# KiCad board first_keyboard.kicad_pcb (continued)
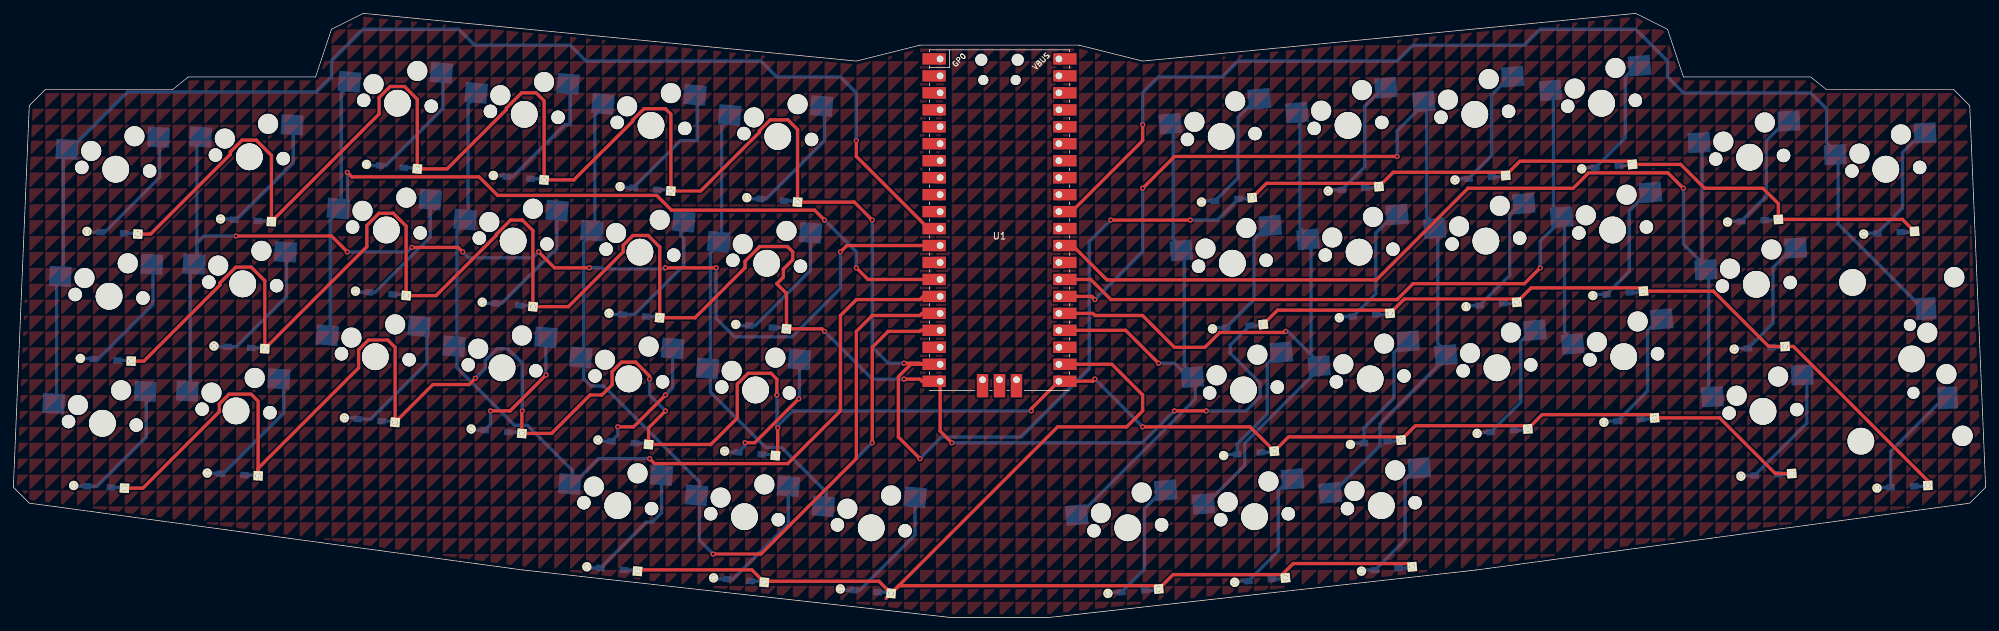
[diagram p0: board, top side]
## Copper pours and planes (outline as drawn; the poured copper is in the pictures) (continued)
(no net) on Top, Bottom: 69.06,80.96 69.06,78.58 71.44,80.96
(no net) on Top, Bottom: 259.56,138.11 259.56,135.73 261.94,138.11
(no net) on Top, Bottom: 26.19,85.72 26.19,83.34 28.58,85.72
(no net) on Top, Bottom: 85.73,-38.1 85.73,-40.48 88.11,-38.1
(no net) on Top, Bottom: 271.46,135.73 271.46,133.35 273.84,135.73
(no net) on Top, Bottom: 230.98,0 230.98,-2.38 233.36,0
(no net) on Top, Bottom: 90.49,107.16 90.49,104.78 92.87,107.16
(no net) on Top, Bottom: 126.21,61.91 126.21,59.53 128.59,61.91
(no net) on Top, Bottom: 290.51,40.48 290.51,38.1 292.89,40.48
(no net) on Top, Bottom: 114.3,100.01 114.3,97.63 116.68,100.01
(no net) on Top, Bottom: 92.87,123.83 92.87,121.44 95.25,123.83
(no net) on Top, Bottom: 250.03,126.21 250.03,123.83 252.41,126.21
(no net) on Top, Bottom: 192.88,107.16 192.88,104.78 195.26,107.16
(no net) on Top, Bottom: 40.48,33.34 40.48,30.96 42.86,33.34
(no net) on Top, Bottom: 128.59,7.14 128.59,4.76 130.97,7.14
(no net) on Top, Bottom: 100.01,150.02 100.01,147.64 102.39,150.02
(no net) on Top, Bottom: 302.42,116.68 302.42,114.3 304.8,116.68
(no net) on Top, Bottom: 116.68,19.05 116.68,16.67 119.06,19.05
(no net) on Top, Bottom: 80.96,54.77 80.96,52.39 83.34,54.77
(no net) on Top, Bottom: 235.74,-7.14 235.74,-9.53 238.12,-7.14
(no net) on Top, Bottom: 114.3,11.91 114.3,9.53 116.68,11.91
(no net) on Top, Bottom: 9.53,-19.05 9.53,-21.43 11.91,-19.05
(no net) on Top, Bottom: 95.25,123.83 95.25,121.44 97.63,123.83
(no net) on Top, Bottom: 171.45,104.78 171.45,102.39 173.83,104.78
(no net) on Top, Bottom: 223.84,150.02 223.84,147.64 226.22,150.02
(no net) on Top, Bottom: 216.69,119.06 216.69,116.68 219.07,119.06
(no net) on Top, Bottom: 90.49,150.02 90.49,147.64 92.87,150.02
(no net) on Top, Bottom: 152.4,30.96 152.4,28.57 154.78,30.96
(no net) on Top, Bottom: 226.22,73.82 226.22,71.44 228.6,73.82
(no net) on Top, Bottom: 250.03,88.11 250.03,85.72 252.41,88.11
(no net) on Top, Bottom: 188.12,-38.1 188.12,-40.48 190.5,-38.1
(no net) on Top, Bottom: 88.11,28.57 88.11,26.19 90.49,28.57
(no net) on Top, Bottom: 161.93,19.05 161.93,16.67 164.31,19.05
(no net) on Top, Bottom: 128.59,4.76 128.59,2.38 130.97,4.76
(no net) on Top, Bottom: 2.38,-33.34 2.38,-35.72 4.76,-33.34
(no net) on Top, Bottom: 230.98,85.72 230.98,83.34 233.36,85.72
(no net) on Top, Bottom: 195.26,64.29 195.26,61.91 197.64,64.29
(no net) on Top, Bottom: 78.58,30.96 78.58,28.57 80.96,30.96
(no net) on Top, Bottom: 145.26,147.64 145.26,145.26 147.64,147.64
(no net) on Top, Bottom: 40.48,54.77 40.48,52.39 42.86,54.77
(no net) on Top, Bottom: 295.27,9.53 295.27,7.14 297.66,9.53
(no net) on Top, Bottom: 126.21,102.39 126.21,100.01 128.59,102.39
(no net) on Top, Bottom: 252.41,0 252.41,-2.38 254.79,0
(no net) on Top, Bottom: 0,-16.67 0,-19.05 2.38,-16.67
(no net) on Top, Bottom: 228.6,-30.96 228.6,-33.34 230.98,-30.96
(no net) on Top, Bottom: 283.37,123.83 283.37,121.44 285.75,123.83
(no net) on Top, Bottom: 133.35,135.73 133.35,133.35 135.73,135.73
(no net) on Top, Bottom: 107.16,2.38 107.16,0 109.54,2.38
(no net) on Top, Bottom: 207.17,111.92 207.17,109.54 209.55,111.92
(no net) on Top, Bottom: 9.53,97.63 9.53,95.25 11.91,97.63
(no net) on Top, Bottom: 140.49,100.01 140.49,97.63 142.88,100.01
(no net) on Top, Bottom: 273.84,26.19 273.84,23.81 276.22,26.19
(no net) on Top, Bottom: 290.51,-7.14 290.51,-9.53 292.89,-7.14
(no net) on Top, Bottom: 254.79,40.48 254.79,38.1 257.18,40.48
(no net) on Top, Bottom: 90.49,54.77 90.49,52.39 92.87,54.77
(no net) on Top, Bottom: 302.42,4.76 302.42,2.38 304.8,4.76
(no net) on Top, Bottom: 45.24,130.97 45.24,128.59 47.62,130.97
(no net) on Top, Bottom: 245.27,26.19 245.27,23.81 247.65,26.19
(no net) on Top, Bottom: 252.41,102.39 252.41,100.01 254.79,102.39
(no net) on Top, Bottom: 283.37,-35.72 283.37,-38.1 285.75,-35.72
(no net) on Top, Bottom: 52.39,90.49 52.39,88.11 54.77,90.49
(no net) on Top, Bottom: 14.29,23.81 14.29,21.43 16.67,23.81
(no net) on Top, Bottom: 121.44,109.54 121.44,107.16 123.83,109.54
(no net) on Top, Bottom: 204.79,52.39 204.79,50.01 207.17,52.39
(no net) on Top, Bottom: 221.46,0 221.46,-2.38 223.84,0
(no net) on Top, Bottom: 14.29,19.05 14.29,16.67 16.67,19.05
(no net) on Top, Bottom: 285.75,0 285.75,-2.38 288.13,0
(no net) on Top, Bottom: 102.39,14.29 102.39,11.91 104.77,14.29
(no net) on Top, Bottom: 83.34,88.11 83.34,85.72 85.73,88.11
(no net) on Top, Bottom: 169.07,-23.81 169.07,-26.19 171.45,-23.81
(no net) on Top, Bottom: 21.43,7.14 21.43,4.76 23.81,7.14
(no net) on Top, Bottom: 219.07,-33.34 219.07,-35.72 221.46,-33.34
(no net) on Top, Bottom: 188.12,-19.05 188.12,-21.43 190.5,-19.05
(no net) on Top, Bottom: 180.98,-11.91 180.98,-14.29 183.36,-11.91
(no net) on Top, Bottom: 59.53,-16.67 59.53,-19.05 61.91,-16.67
(no net) on Top, Bottom: 221.46,104.78 221.46,102.39 223.84,104.78
(no net) on Top, Bottom: 223.84,71.44 223.84,69.06 226.22,71.44
(no net) on Top, Bottom: 21.43,16.67 21.43,14.29 23.81,16.67
(no net) on Top, Bottom: 147.64,147.64 147.64,145.26 150.02,147.64
(no net) on Top, Bottom: 183.36,38.1 183.36,35.72 185.74,38.1
(no net) on Top, Bottom: 128.59,40.48 128.59,38.1 130.97,40.48
(no net) on Top, Bottom: 16.67,80.96 16.67,78.58 19.05,80.96
(no net) on Top, Bottom: 226.22,-16.67 226.22,-19.05 228.6,-16.67
(no net) on Top, Bottom: 100.01,11.91 100.01,9.53 102.39,11.91
(no net) on Top, Bottom: 138.11,119.06 138.11,116.68 140.49,119.06
(no net) on Top, Bottom: 202.41,-33.34 202.41,-35.72 204.79,-33.34
(no net) on Top, Bottom: 238.12,28.57 238.12,26.19 240.51,28.57
(no net) on Top, Bottom: 78.58,54.77 78.58,52.39 80.96,54.77
(no net) on Top, Bottom: 254.79,35.72 254.79,33.34 257.18,35.72
(no net) on Top, Bottom: 128.59,-23.81 128.59,-26.19 130.97,-23.81
(no net) on Top, Bottom: 66.67,-19.05 66.67,-21.43 69.06,-19.05
(no net) on Top, Bottom: 166.69,147.64 166.69,145.26 169.07,147.64
(no net) on Top, Bottom: 54.77,116.68 54.77,114.3 57.15,116.68
(no net) on Top, Bottom: 61.91,-33.34 61.91,-35.72 64.29,-33.34
(no net) on Top, Bottom: 223.84,85.72 223.84,83.34 226.22,85.72
(no net) on Top, Bottom: 123.83,11.91 123.83,9.53 126.21,11.91
(no net) on Top, Bottom: 126.21,66.68 126.21,64.29 128.59,66.68
(no net) on Top, Bottom: 269.08,71.44 269.08,69.06 271.46,71.44
(no net) on Top, Bottom: 78.58,135.73 78.58,133.35 80.96,135.73
(no net) on Top, Bottom: 188.12,78.58 188.12,76.2 190.5,78.58
(no net) on Top, Bottom: 69.06,47.62 69.06,45.24 71.44,47.62
(no net) on Top, Bottom: 304.8,116.68 304.8,114.3 307.18,116.68
(no net) on Top, Bottom: 107.16,130.97 107.16,128.59 109.54,130.97
(no net) on Top, Bottom: 171.45,0 171.45,-2.38 173.83,0
(no net) on Top, Bottom: 223.84,35.72 223.84,33.34 226.22,35.72
(no net) on Top, Bottom: 33.34,126.21 33.34,123.83 35.72,126.21
(no net) on Top, Bottom: 304.8,57.15 304.8,54.77 307.18,57.15
(no net) on Top, Bottom: 226.22,21.43 226.22,19.05 228.6,21.43
(no net) on Top, Bottom: 242.89,-16.67 242.89,-19.05 245.27,-16.67
(no net) on Top, Bottom: 283.37,121.44 283.37,119.06 285.75,121.44
(no net) on Top, Bottom: 128.59,26.19 128.59,23.81 130.97,26.19
(no net) on Top, Bottom: 235.74,107.16 235.74,104.78 238.12,107.16
(no net) on Top, Bottom: 64.29,57.15 64.29,54.77 66.67,57.15
(no net) on Top, Bottom: 116.68,-11.91 116.68,-14.29 119.06,-11.91
(no net) on Top, Bottom: 35.72,54.77 35.72,52.39 38.1,54.77
(no net) on Top, Bottom: 114.3,85.72 114.3,83.34 116.68,85.72
(no net) on Top, Bottom: 145.26,26.19 145.26,23.81 147.64,26.19
(no net) on Top, Bottom: 180.98,147.64 180.98,145.26 183.36,147.64
(no net) on Top, Bottom: 240.51,-35.72 240.51,-38.1 242.89,-35.72
(no net) on Top, Bottom: 114.3,-38.1 114.3,-40.48 116.68,-38.1
(no net) on Top, Bottom: 2.38,47.62 2.38,45.24 4.76,47.62
(no net) on Top, Bottom: 161.93,145.26 161.93,142.88 164.31,145.26
(no net) on Top, Bottom: 104.77,59.53 104.77,57.15 107.16,59.53
(no net) on Top, Bottom: 47.62,4.76 47.62,2.38 50.01,4.76
(no net) on Top, Bottom: 264.32,138.11 264.32,135.73 266.7,138.11
(no net) on Top, Bottom: 38.1,119.06 38.1,116.68 40.48,119.06
(no net) on Top, Bottom: 180.98,90.49 180.98,88.11 183.36,90.49
(no net) on Top, Bottom: 140.49,104.78 140.49,102.39 142.88,104.78
(no net) on Top, Bottom: 266.7,23.81 266.7,21.43 269.08,23.81
(no net) on Top, Bottom: 285.75,-19.05 285.75,-21.43 288.13,-19.05
(no net) on Top, Bottom: 195.26,116.68 195.26,114.3 197.64,116.68
(no net) on Top, Bottom: 269.08,102.39 269.08,100.01 271.46,102.39
(no net) on Top, Bottom: 273.84,47.62 273.84,45.24 276.22,47.62
(no net) on Top, Bottom: 80.96,130.97 80.96,128.59 83.34,130.97
(no net) on Top, Bottom: 273.84,33.34 273.84,30.96 276.22,33.34
(no net) on Top, Bottom: 66.67,133.35 66.67,130.97 69.06,133.35
(no net) on Top, Bottom: 14.29,45.24 14.29,42.86 16.67,45.24
(no net) on Top, Bottom: 300.04,61.91 300.04,59.53 302.42,61.91
(no net) on Top, Bottom: 233.36,104.78 233.36,102.39 235.74,104.78
(no net) on Top, Bottom: 238.12,64.29 238.12,61.91 240.51,64.29
(no net) on Top, Bottom: 57.15,85.72 57.15,83.34 59.53,85.72
(no net) on Top, Bottom: 64.29,147.64 64.29,145.26 66.67,147.64
(no net) on Top, Bottom: 233.36,107.16 233.36,104.78 235.74,107.16
(no net) on Top, Bottom: 254.79,50.01 254.79,47.62 257.18,50.01
(no net) on Top, Bottom: 183.36,71.44 183.36,69.06 185.74,71.44
(no net) on Top, Bottom: 0,57.15 0,54.77 2.38,57.15
(no net) on Top, Bottom: 295.27,33.34 295.27,30.96 297.66,33.34
(no net) on Top, Bottom: 261.94,-33.34 261.94,-35.72 264.32,-33.34
(no net) on Top, Bottom: 245.27,-30.96 245.27,-33.34 247.65,-30.96
(no net) on Top, Bottom: 216.69,61.91 216.69,59.53 219.07,61.91
(no net) on Top, Bottom: 288.13,138.11 288.13,135.73 290.51,138.11
(no net) on Top, Bottom: 276.22,-28.57 276.22,-30.96 278.61,-28.57
(no net) on Top, Bottom: 114.3,19.05 114.3,16.67 116.68,19.05
(no net) on Top, Bottom: 142.88,7.14 142.88,4.76 145.26,7.14
(no net) on Top, Bottom: 176.21,90.49 176.21,88.11 178.59,90.49
(no net) on Top, Bottom: 235.74,-16.67 235.74,-19.05 238.12,-16.67
(no net) on Top, Bottom: 38.1,57.15 38.1,54.77 40.48,57.15
(no net) on Top, Bottom: 73.82,66.68 73.82,64.29 76.2,66.68
(no net) on Top, Bottom: 52.39,30.96 52.39,28.57 54.77,30.96
(no net) on Top, Bottom: 102.39,71.44 102.39,69.06 104.77,71.44
(no net) on Top, Bottom: 269.08,-2.38 269.08,-4.76 271.46,-2.38
(no net) on Top, Bottom: 73.82,35.72 73.82,33.34 76.2,35.72
(no net) on Top, Bottom: 264.32,147.64 264.32,145.26 266.7,147.64
(no net) on Top, Bottom: 59.53,145.26 59.53,142.88 61.91,145.26
(no net) on Top, Bottom: 278.61,109.54 278.61,107.16 280.99,109.54
(no net) on Top, Bottom: 71.44,2.38 71.44,0 73.82,2.38
(no net) on Top, Bottom: 200.02,21.43 200.02,19.05 202.41,21.43
(no net) on Top, Bottom: 228.6,7.14 228.6,4.76 230.98,7.14
(no net) on Top, Bottom: 280.99,138.11 280.99,135.73 283.37,138.11
(no net) on Top, Bottom: 207.17,-14.29 207.17,-16.67 209.55,-14.29
(no net) on Top, Bottom: 64.29,47.62 64.29,45.24 66.67,47.62
(no net) on Top, Bottom: 157.16,107.16 157.16,104.78 159.54,107.16
(no net) on Top, Bottom: 52.39,147.64 52.39,145.26 54.77,147.64
(no net) on Top, Bottom: 16.67,119.06 16.67,116.68 19.05,119.06
(no net) on Top, Bottom: 107.16,104.78 107.16,102.39 109.54,104.78
(no net) on Top, Bottom: 85.73,0 85.73,-2.38 88.11,0
(no net) on Top, Bottom: 35.72,11.91 35.72,9.53 38.1,11.91
(no net) on Top, Bottom: 180.98,9.53 180.98,7.14 183.36,9.53
(no net) on Top, Bottom: 192.88,-11.91 192.88,-14.29 195.26,-11.91
(no net) on Top, Bottom: 145.26,-38.1 145.26,-40.48 147.64,-38.1
(no net) on Top, Bottom: 90.49,47.62 90.49,45.24 92.87,47.62
(no net) on Top, Bottom: 23.81,119.06 23.81,116.68 26.19,119.06
(no net) on Top, Bottom: 90.49,64.29 90.49,61.91 92.87,64.29
(no net) on Top, Bottom: 142.88,90.49 142.88,88.11 145.26,90.49
(no net) on Top, Bottom: 214.31,66.68 214.31,64.29 216.69,66.68
(no net) on Top, Bottom: 302.42,126.21 302.42,123.83 304.8,126.21
(no net) on Top, Bottom: 107.16,95.25 107.16,92.87 109.54,95.25
(no net) on Top, Bottom: 273.84,88.11 273.84,85.72 276.22,88.11
(no net) on Top, Bottom: 52.39,14.29 52.39,11.91 54.77,14.29
(no net) on Top, Bottom: 4.76,102.39 4.76,100.01 7.14,102.39
(no net) on Top, Bottom: 64.29,142.88 64.29,140.49 66.67,142.88
(no net) on Top, Bottom: 126.21,97.63 126.21,95.25 128.59,97.63
(no net) on Top, Bottom: 259.56,59.53 259.56,57.15 261.94,59.53
(no net) on Top, Bottom: 207.17,83.34 207.17,80.96 209.55,83.34
(no net) on Top, Bottom: 88.11,35.72 88.11,33.34 90.49,35.72
(no net) on Top, Bottom: 152.4,21.43 152.4,19.05 154.78,21.43
(no net) on Top, Bottom: 154.78,114.3 154.78,111.92 157.16,114.3
(no net) on Top, Bottom: 152.4,102.39 152.4,100.01 154.78,102.39
(no net) on Top, Bottom: 226.22,90.49 226.22,88.11 228.6,90.49
(no net) on Top, Bottom: 283.37,150.02 283.37,147.64 285.75,150.02
(no net) on Top, Bottom: 280.99,109.54 280.99,107.16 283.37,109.54
(no net) on Top, Bottom: 0,64.29 0,61.91 2.38,64.29
(no net) on Top, Bottom: 209.55,111.92 209.55,109.54 211.93,111.92
(no net) on Top, Bottom: 30.96,133.35 30.96,130.97 33.34,133.35
(no net) on Top, Bottom: 88.11,111.92 88.11,109.54 90.49,111.92
(no net) on Top, Bottom: 226.22,7.14 226.22,4.76 228.6,7.14
(no net) on Top, Bottom: 40.48,35.72 40.48,33.34 42.86,35.72
(no net) on Top, Bottom: 238.12,76.2 238.12,73.82 240.51,76.2
(no net) on Top, Bottom: 147.64,21.43 147.64,19.05 150.02,21.43
(no net) on Top, Bottom: 50.01,59.53 50.01,57.15 52.39,59.53
(no net) on Top, Bottom: 288.13,-28.57 288.13,-30.96 290.51,-28.57
(no net) on Top, Bottom: 164.31,-7.14 164.31,-9.53 166.69,-7.14
(no net) on Top, Bottom: 280.99,-4.76 280.99,-7.14 283.37,-4.76
(no net) on Top, Bottom: 164.31,90.49 164.31,88.11 166.69,90.49
(no net) on Top, Bottom: 97.63,0 97.63,-2.38 100.01,0
(no net) on Top, Bottom: 109.54,59.53 109.54,57.15 111.92,59.53
(no net) on Top, Bottom: 300.04,83.34 300.04,80.96 302.42,83.34
(no net) on Top, Bottom: 140.49,85.72 140.49,83.34 142.88,85.72
(no net) on Top, Bottom: 150.02,90.49 150.02,88.11 152.4,90.49
(no net) on Top, Bottom: 254.79,-23.81 254.79,-26.19 257.18,-23.81
(no net) on Top, Bottom: 33.34,-11.91 33.34,-14.29 35.72,-11.91
(no net) on Top, Bottom: 295.27,14.29 295.27,11.91 297.66,14.29
(no net) on Top, Bottom: 276.22,0 276.22,-2.38 278.61,0
(no net) on Top, Bottom: 283.37,50.01 283.37,47.62 285.75,50.01
(no net) on Top, Bottom: 280.99,23.81 280.99,21.43 283.37,23.81
(no net) on Top, Bottom: 261.94,135.73 261.94,133.35 264.32,135.73
(no net) on Top, Bottom: 271.46,50.01 271.46,47.62 273.84,50.01
(no net) on Top, Bottom: 211.93,128.59 211.93,126.21 214.31,128.59
(no net) on Top, Bottom: 69.06,128.59 69.06,126.21 71.44,128.59
(no net) on Top, Bottom: 64.29,-14.29 64.29,-16.67 66.67,-14.29
(no net) on Top, Bottom: 121.44,83.34 121.44,80.96 123.83,83.34
(no net) on Top, Bottom: 104.77,30.96 104.77,28.57 107.16,30.96
(no net) on Top, Bottom: 257.18,100.01 257.18,97.63 259.56,100.01
(no net) on Top, Bottom: 59.53,-9.53 59.53,-11.91 61.91,-9.53
(no net) on Top, Bottom: 157.16,28.57 157.16,26.19 159.54,28.57
(no net) on Top, Bottom: 202.41,-21.43 202.41,-23.81 204.79,-21.43
(no net) on Top, Bottom: 38.1,42.86 38.1,40.48 40.48,42.86
(no net) on Top, Bottom: 150.02,-38.1 150.02,-40.48 152.4,-38.1
(no net) on Top, Bottom: 88.11,69.06 88.11,66.68 90.49,69.06
(no net) on Top, Bottom: 173.83,23.81 173.83,21.43 176.21,23.81
(no net) on Top, Bottom: 38.1,95.25 38.1,92.87 40.48,95.25
(no net) on Top, Bottom: 88.11,95.25 88.11,92.87 90.49,95.25
(no net) on Top, Bottom: 19.05,9.53 19.05,7.14 21.43,9.53
(no net) on Top, Bottom: 273.84,9.53 273.84,7.14 276.22,9.53
(no net) on Top, Bottom: 247.65,133.35 247.65,130.97 250.03,133.35
(no net) on Top, Bottom: 152.4,40.48 152.4,38.1 154.78,40.48
(no net) on Top, Bottom: 166.69,2.38 166.69,0 169.07,2.38
(no net) on Top, Bottom: 190.5,78.58 190.5,76.2 192.88,78.58
(no net) on Top, Bottom: 116.68,-28.57 116.68,-30.96 119.06,-28.57
(no net) on Top, Bottom: 285.75,95.25 285.75,92.87 288.13,95.25
(no net) on Top, Bottom: 0,35.72 0,33.34 2.38,35.72
(no net) on Top, Bottom: 207.17,66.68 207.17,64.29 209.55,66.68
(no net) on Top, Bottom: 280.99,90.49 280.99,88.11 283.37,90.49
(no net) on Top, Bottom: 223.84,102.39 223.84,100.01 226.22,102.39
(no net) on Top, Bottom: 235.74,-38.1 235.74,-40.48 238.12,-38.1
(no net) on Top, Bottom: 276.22,-9.53 276.22,-11.91 278.61,-9.53
(no net) on Top, Bottom: 92.87,33.34 92.87,30.96 95.25,33.34
(no net) on Top, Bottom: 259.56,95.25 259.56,92.87 261.94,95.25
(no net) on Top, Bottom: 95.25,109.54 95.25,107.16 97.63,109.54
(no net) on Top, Bottom: 209.55,150.02 209.55,147.64 211.93,150.02
(no net) on Top, Bottom: 159.54,9.53 159.54,7.14 161.93,9.53
(no net) on Top, Bottom: 266.7,54.77 266.7,52.39 269.08,54.77
(no net) on Top, Bottom: 111.92,100.01 111.92,97.63 114.3,100.01
(no net) on Top, Bottom: 33.34,135.73 33.34,133.35 35.72,135.73
(no net) on Top, Bottom: 276.22,-2.38 276.22,-4.76 278.61,-2.38
(no net) on Top, Bottom: 204.79,40.48 204.79,38.1 207.17,40.48
(no net) on Top, Bottom: 121.44,-35.72 121.44,-38.1 123.83,-35.72
(no net) on Top, Bottom: 126.21,109.54 126.21,107.16 128.59,109.54
(no net) on Top, Bottom: 245.27,85.72 245.27,83.34 247.65,85.72
(no net) on Top, Bottom: 204.79,2.38 204.79,0 207.17,2.38
(no net) on Top, Bottom: 52.39,97.63 52.39,95.25 54.77,97.63
(no net) on Top, Bottom: 38.1,38.1 38.1,35.72 40.48,38.1
(no net) on Top, Bottom: 285.75,40.48 285.75,38.1 288.13,40.48
(no net) on Top, Bottom: 304.8,35.72 304.8,33.34 307.18,35.72
(no net) on Top, Bottom: 188.12,47.62 188.12,45.24 190.5,47.62
(no net) on Top, Bottom: 283.37,33.34 283.37,30.96 285.75,33.34
(no net) on Top, Bottom: 188.12,21.43 188.12,19.05 190.5,21.43
(no net) on Top, Bottom: 114.3,-16.67 114.3,-19.05 116.68,-16.67
(no net) on Top, Bottom: 126.21,-21.43 126.21,-23.81 128.59,-21.43
(no net) on Top, Bottom: 133.35,-33.34 133.35,-35.72 135.73,-33.34
(no net) on Top, Bottom: 114.3,-4.76 114.3,-7.14 116.68,-4.76
(no net) on Top, Bottom: 80.96,78.58 80.96,76.2 83.34,78.58
(no net) on Top, Bottom: 140.49,21.43 140.49,19.05 142.88,21.43
(no net) on Top, Bottom: 57.15,-19.05 57.15,-21.43 59.53,-19.05
(no net) on Top, Bottom: 235.74,42.86 235.74,40.48 238.12,42.86
(no net) on Top, Bottom: 252.41,100.01 252.41,97.63 254.79,100.01
(no net) on Top, Bottom: 200.02,64.29 200.02,61.91 202.41,64.29
(no net) on Top, Bottom: 204.79,42.86 204.79,40.48 207.17,42.86
(no net) on Top, Bottom: 42.86,0 42.86,-2.38 45.24,0
(no net) on Top, Bottom: 285.75,50.01 285.75,47.62 288.13,50.01
(no net) on Top, Bottom: 104.77,-2.38 104.77,-4.76 107.16,-2.38
(no net) on Top, Bottom: 292.89,78.58 292.89,76.2 295.27,78.58
(no net) on Top, Bottom: 47.62,57.15 47.62,54.77 50.01,57.15
(no net) on Top, Bottom: 52.39,111.92 52.39,109.54 54.77,111.92
(no net) on Top, Bottom: 147.64,130.97 147.64,128.59 150.02,130.97
(no net) on Top, Bottom: 78.58,33.34 78.58,30.96 80.96,33.34
(no net) on Top, Bottom: 285.75,130.97 285.75,128.59 288.13,130.97
(no net) on Top, Bottom: 173.83,57.15 173.83,54.77 176.21,57.15
(no net) on Top, Bottom: 188.12,138.11 188.12,135.73 190.5,138.11
(no net) on Top, Bottom: 192.88,-16.67 192.88,-19.05 195.26,-16.67
(no net) on Top, Bottom: 197.64,-7.14 197.64,-9.53 200.02,-7.14
(no net) on Top, Bottom: 166.69,71.44 166.69,69.06 169.07,71.44
(no net) on Top, Bottom: 292.89,88.11 292.89,85.72 295.27,88.11
(no net) on Top, Bottom: 254.79,61.91 254.79,59.53 257.18,61.91
(no net) on Top, Bottom: 119.06,33.34 119.06,30.96 121.44,33.34
(no net) on Top, Bottom: 190.5,128.59 190.5,126.21 192.88,128.59
(no net) on Top, Bottom: 152.4,14.29 152.4,11.91 154.78,14.29
(no net) on Top, Bottom: 252.41,80.96 252.41,78.58 254.79,80.96
(no net) on Top, Bottom: 83.34,-11.91 83.34,-14.29 85.73,-11.91
(no net) on Top, Bottom: 178.59,135.73 178.59,133.35 180.98,135.73
(no net) on Top, Bottom: 42.86,4.76 42.86,2.38 45.24,4.76
(no net) on Top, Bottom: 130.97,73.82 130.97,71.44 133.35,73.82
(no net) on Top, Bottom: 102.39,26.19 102.39,23.81 104.77,26.19
(no net) on Top, Bottom: 266.7,88.11 266.7,85.72 269.08,88.11
(no net) on Top, Bottom: 292.89,50.01 292.89,47.62 295.27,50.01
(no net) on Top, Bottom: 216.69,130.97 216.69,128.59 219.07,130.97
(no net) on Top, Bottom: 52.39,-11.91 52.39,-14.29 54.77,-11.91
(no net) on Top, Bottom: 259.56,50.01 259.56,47.62 261.94,50.01
(no net) on Top, Bottom: 242.89,-19.05 242.89,-21.43 245.27,-19.05
(no net) on Top, Bottom: 264.32,104.78 264.32,102.39 266.7,104.78
(no net) on Top, Bottom: 42.86,16.67 42.86,14.29 45.24,16.67
(no net) on Top, Bottom: 271.46,0 271.46,-2.38 273.84,0
(no net) on Top, Bottom: 216.69,9.53 216.69,7.14 219.07,9.53
(no net) on Top, Bottom: 235.74,19.05 235.74,16.67 238.12,19.05
(no net) on Top, Bottom: 209.55,100.01 209.55,97.63 211.93,100.01
(no net) on Top, Bottom: 116.68,30.96 116.68,28.57 119.06,30.96
(no net) on Top, Bottom: 195.26,2.38 195.26,0 197.64,2.38
(no net) on Top, Bottom: 109.54,145.26 109.54,142.88 111.92,145.26
(no net) on Top, Bottom: 52.39,80.96 52.39,78.58 54.77,80.96
(no net) on Top, Bottom: 40.48,130.97 40.48,128.59 42.86,130.97
(no net) on Top, Bottom: 54.77,-33.34 54.77,-35.72 57.15,-33.34
(no net) on Top, Bottom: 33.34,111.92 33.34,109.54 35.72,111.92
(no net) on Top, Bottom: 66.67,54.77 66.67,52.39 69.06,54.77
(no net) on Top, Bottom: 259.56,69.06 259.56,66.68 261.94,69.06
(no net) on Top, Bottom: 80.96,100.01 80.96,97.63 83.34,100.01
(no net) on Top, Bottom: 254.79,38.1 254.79,35.72 257.18,38.1
(no net) on Top, Bottom: 90.49,26.19 90.49,23.81 92.87,26.19
(no net) on Top, Bottom: 54.77,64.29 54.77,61.91 57.15,64.29
(no net) on Top, Bottom: 42.86,7.14 42.86,4.76 45.24,7.14
(no net) on Top, Bottom: 247.65,26.19 247.65,23.81 250.03,26.19
(no net) on Top, Bottom: 42.86,128.59 42.86,126.21 45.24,128.59
(no net) on Top, Bottom: 40.48,140.49 40.48,138.11 42.86,140.49
(no net) on Top, Bottom: 259.56,140.49 259.56,138.11 261.94,140.49
(no net) on Top, Bottom: 297.66,104.78 297.66,102.39 300.04,104.78
(no net) on Top, Bottom: 69.06,50.01 69.06,47.62 71.44,50.01
(no net) on Top, Bottom: 38.1,69.06 38.1,66.68 40.48,69.06
(no net) on Top, Bottom: 2.38,66.68 2.38,64.29 4.76,66.68
(no net) on Top, Bottom: 128.59,-4.76 128.59,-7.14 130.97,-4.76
(no net) on Top, Bottom: 114.3,61.91 114.3,59.53 116.68,61.91
(no net) on Top, Bottom: 128.59,88.11 128.59,85.72 130.97,88.11
(no net) on Top, Bottom: 126.21,78.58 126.21,76.2 128.59,78.58
(no net) on Top, Bottom: 226.22,66.68 226.22,64.29 228.6,66.68
(no net) on Top, Bottom: 242.89,26.19 242.89,23.81 245.27,26.19
(no net) on Top, Bottom: 92.87,54.77 92.87,52.39 95.25,54.77
(no net) on Top, Bottom: 238.12,35.72 238.12,33.34 240.51,35.72
(no net) on Top, Bottom: 285.75,-21.43 285.75,-23.81 288.13,-21.43
(no net) on Top, Bottom: 76.2,-2.38 76.2,-4.76 78.58,-2.38
(no net) on Top, Bottom: 0,102.39 0,100.01 2.38,102.39
(no net) on Top, Bottom: 92.87,64.29 92.87,61.91 95.25,64.29
(no net) on Top, Bottom: 145.26,42.86 145.26,40.48 147.64,42.86
(no net) on Top, Bottom: 73.82,95.25 73.82,92.87 76.2,95.25
(no net) on Top, Bottom: 73.82,126.21 73.82,123.83 76.2,126.21
(no net) on Top, Bottom: 276.22,54.77 276.22,52.39 278.61,54.77
(no net) on Top, Bottom: 226.22,69.06 226.22,66.68 228.6,69.06
(no net) on Top, Bottom: 154.78,28.57 154.78,26.19 157.16,28.57
(no net) on Top, Bottom: 283.37,102.39 283.37,100.01 285.75,102.39
(no net) on Top, Bottom: 197.64,123.83 197.64,121.44 200.02,123.83
(no net) on Top, Bottom: 159.54,0 159.54,-2.38 161.93,0
(no net) on Top, Bottom: 164.31,-16.67 164.31,-19.05 166.69,-16.67
(no net) on Top, Bottom: 269.08,-14.29 269.08,-16.67 271.46,-14.29
(no net) on Top, Bottom: 273.84,-26.19 273.84,-28.57 276.22,-26.19
(no net) on Top, Bottom: 207.17,104.78 207.17,102.39 209.55,104.78
(no net) on Top, Bottom: 88.11,54.77 88.11,52.39 90.49,54.77
(no net) on Top, Bottom: 257.18,54.77 257.18,52.39 259.56,54.77
(no net) on Top, Bottom: 138.11,130.97 138.11,128.59 140.49,130.97
(no net) on Top, Bottom: 216.69,45.24 216.69,42.86 219.07,45.24
(no net) on Top, Bottom: 33.34,61.91 33.34,59.53 35.72,61.91
(no net) on Top, Bottom: 200.02,-21.43 200.02,-23.81 202.41,-21.43
(no net) on Top, Bottom: 295.27,28.57 295.27,26.19 297.66,28.57
(no net) on Top, Bottom: 211.93,97.63 211.93,95.25 214.31,97.63
(no net) on Top, Bottom: 192.88,135.73 192.88,133.35 195.26,135.73
(no net) on Top, Bottom: 214.31,-28.57 214.31,-30.96 216.69,-28.57
(no net) on Top, Bottom: 300.04,123.83 300.04,121.44 302.42,123.83
(no net) on Top, Bottom: 169.07,78.58 169.07,76.2 171.45,78.58
(no net) on Top, Bottom: 154.78,61.91 154.78,59.53 157.16,61.91
(no net) on Top, Bottom: 45.24,-7.14 45.24,-9.53 47.62,-7.14
(no net) on Top, Bottom: 247.65,95.25 247.65,92.87 250.03,95.25
(no net) on Top, Bottom: 185.74,73.82 185.74,71.44 188.12,73.82
(no net) on Top, Bottom: 142.88,45.24 142.88,42.86 145.26,45.24
(no net) on Top, Bottom: 166.69,54.77 166.69,52.39 169.07,54.77
(no net) on Top, Bottom: 190.5,69.06 190.5,66.68 192.88,69.06
(no net) on Top, Bottom: 257.18,-7.14 257.18,-9.53 259.56,-7.14